# KiCad board dya-right.kicad_pcb
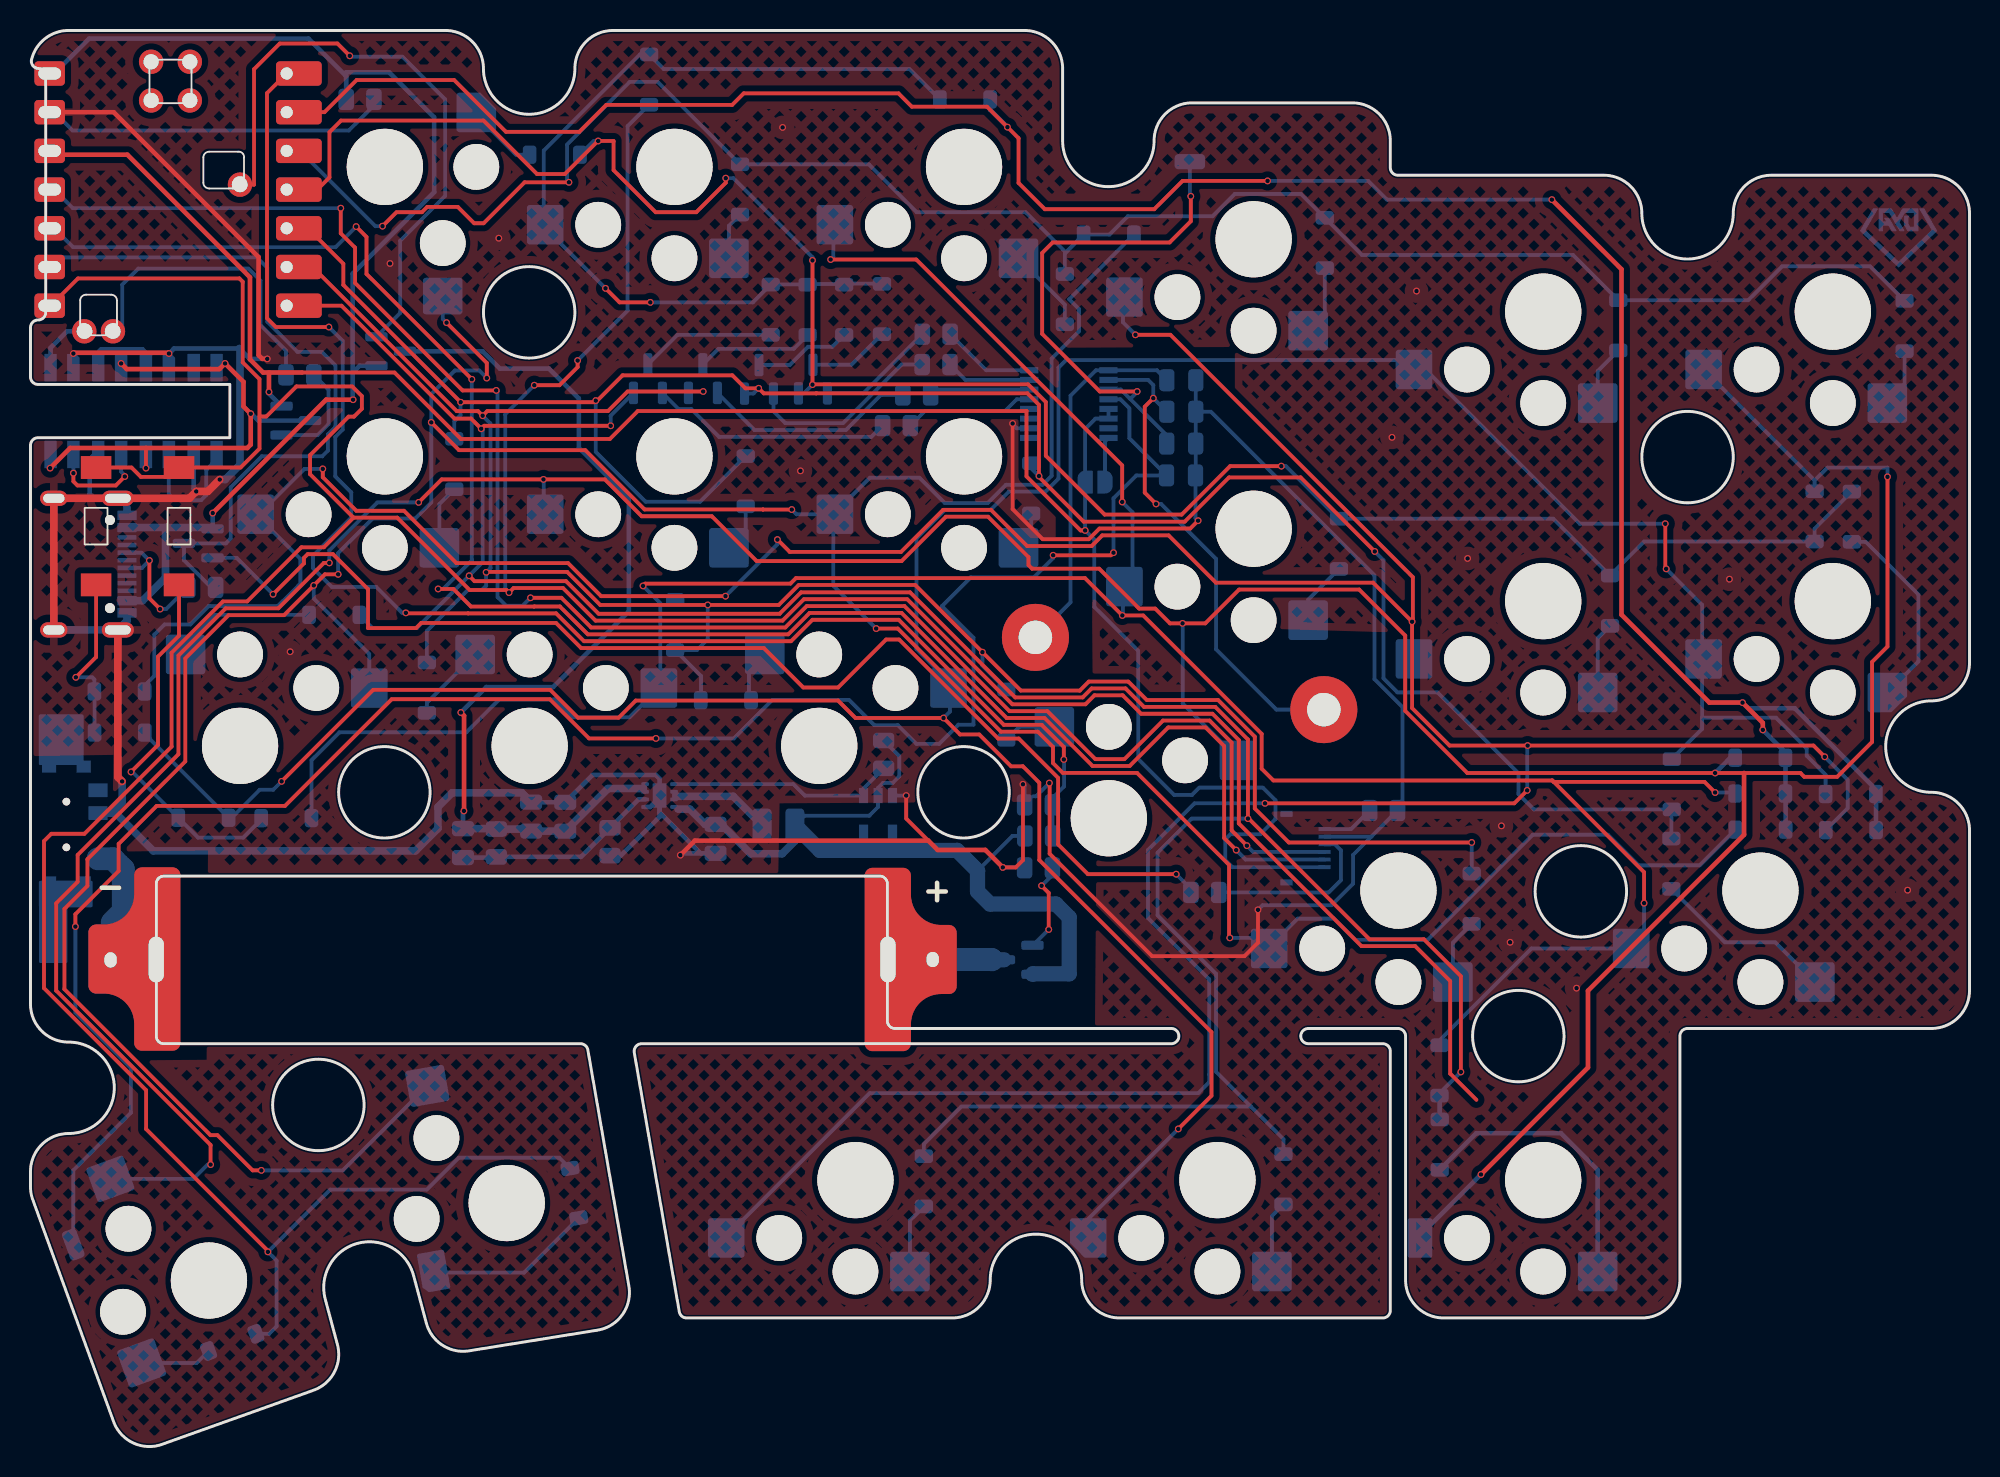
[diagram p0: board, top side]
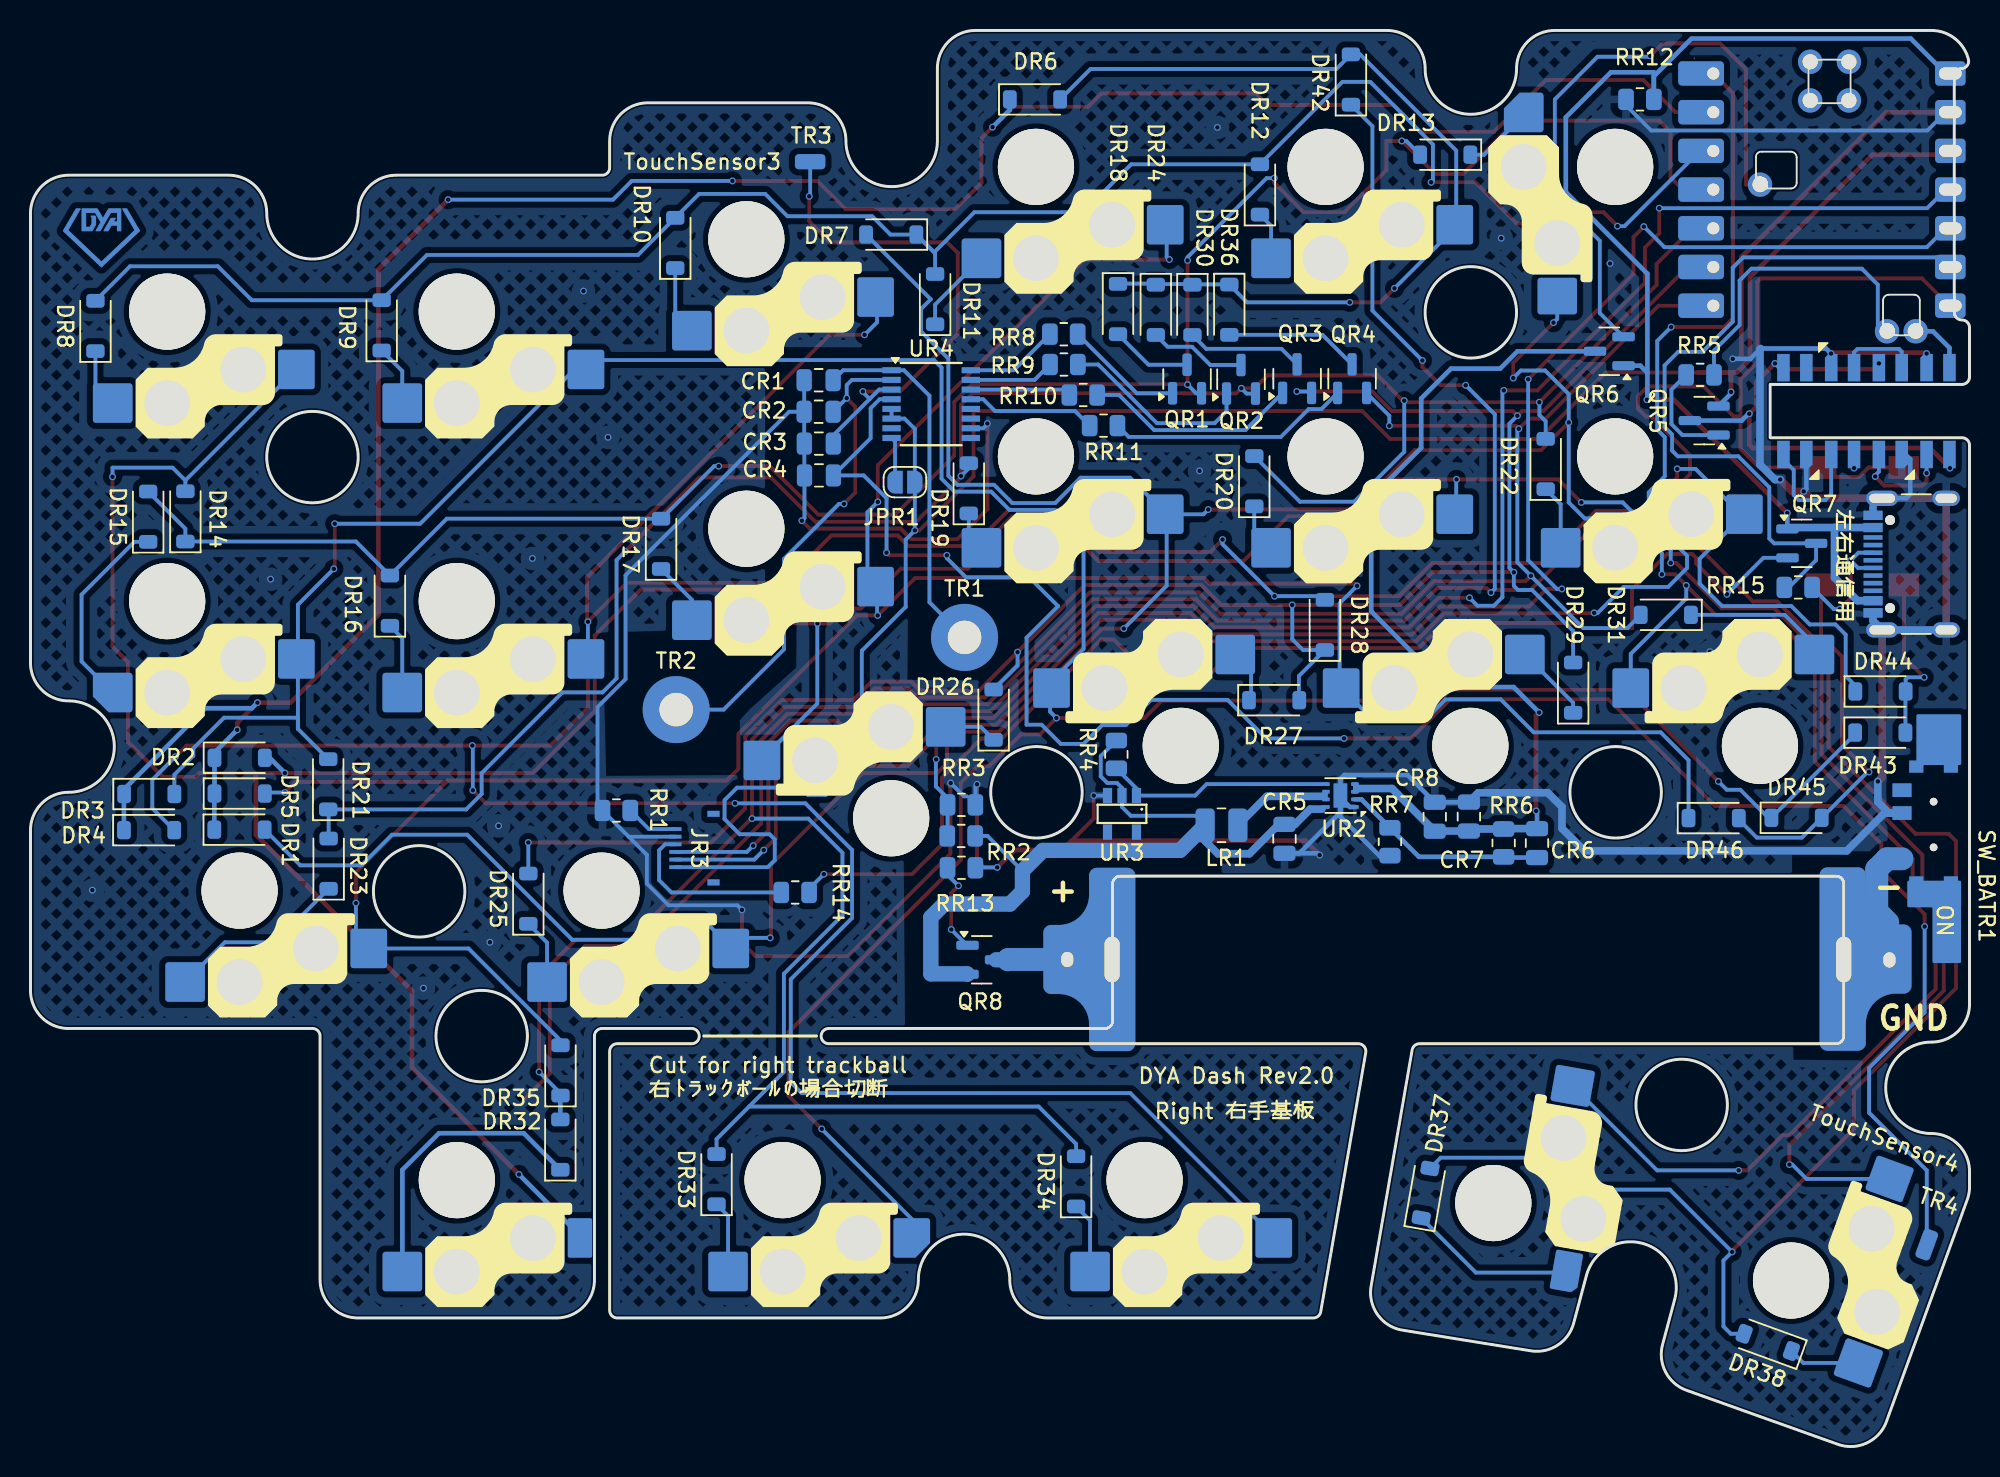
[diagram p1: board, bottom side, seen from below]

Outline 127.22 x 92.94 mm; copper layers: Top, Bottom. Coordinates in mm from the lower left corner of the outline.
Outline path: outline of 128 points within 15.89,19.42 21.89,25.42 closed ; outline of 128 points within 20.22,39.94 26.22,45.94 closed ; outline of 128 points within 29.72,71.44 35.72,77.44 closed ; outline of 128 points within 58.22,39.94 64.22,45.94 closed ; outline of 128 points within 94.62,23.94 100.62,29.94 closed ; outline of 128 points within 98.72,33.44 104.72,39.44 closed ; outline of 128 points within 105.72,61.94 111.72,67.94 closed ; outline of 1191 points within 0,0 127.22,92.94 closed
Stack: Top 0.035mm / dielectric 1.2mm FR4 er 4.5 / Bottom 0.035mm

## Placement (name value [footprint] x y rotation side)
CR1  ~  [C_0805_2012Metric]  75.51 69.98 0 bottom
CR2  ~  [C_0805_2012Metric]  75.51 67.91 0 bottom
CR3  ~  [C_0805_2012Metric]  75.5 65.82 0 bottom
CR4  ~  [C_0805_2012Metric]  75.49 63.73 0 bottom
CR5  10uF  [C_0805_2012Metric]  44.95 39.88 270 bottom
CR6  20pF  [C_0805_2012Metric]  28.38 39.6 270 bottom
CR7  10uF  [C_0805_2012Metric]  32.85 41.34 90 bottom
CR8  10uF  [C_0805_2012Metric]  35.09 41.33 90 bottom
DR1  D  [D_SOD-123]  113.51 40.48 180 bottom
DR2  D  [D_SOD-123]  113.49 45.2 180 bottom
DR3  D  [D_SOD-123]  119.43 42.82 180 bottom
DR4  D  [D_SOD-123]  119.44 40.45 180 bottom
DR5  D  [D_SOD-123]  113.49 42.85 180 bottom
DR6  D  [D_SOD-123]  61.31 88.41 180 bottom
DR7  D  [D_SOD-123]  70.75 79.54 0 bottom
DR8  D  [D_SOD-123]  122.96 73.54 90 bottom
DR9  D  [D_SOD-123]  104.18 73.58 90 bottom
DR10  D  [D_SOD-123]  84.92 78.99 90 bottom
DR11  D  [D_SOD-123]  67.87 75.3 90 bottom
DR12  D  [D_SOD-123]  46.56 82.5 90 bottom
DR13  D  [D_SOD-123]  34.4 84.78 0 bottom
DR14  D  [D_SOD-123]  117.06 61.05 90 bottom
DR15  D  [D_SOD-123]  119.5 61.03 90 bottom
DR16  D  [D_SOD-123]  103.64 55.51 90 bottom
DR17  D  [D_SOD-123]  85.85 59.24 90 bottom
DR18  D  [D_SOD-123]  55.87 74.65 270 bottom
DR19  D  [D_SOD-123]  65.66 62.89 90 bottom
DR20  D  [D_SOD-123]  46.93 63.35 90 bottom
DR21  D  [D_SOD-123]  107.68 43.46 90 bottom
DR22  D  [D_SOD-123]  27.81 64.48 90 bottom
DR23  D  [D_SOD-123]  107.66 38.25 90 bottom
DR24  D  [D_SOD-123]  53.39 74.6 270 bottom
DR25  D  [D_SOD-123]  94.56 35.95 90 bottom
DR26  D  [D_SOD-123]  64.03 48.03 90 bottom
DR27  D  [D_SOD-123]  45.62 48.98 180 bottom
DR28  D  [D_SOD-123]  42.29 53.92 90 bottom
DR29  D  [D_SOD-123]  26.01 49.81 90 bottom
DR30  D  [D_SOD-123]  50.99 74.6 270 bottom
DR31  D  [D_SOD-123]  19.93 54.58 0 bottom
DR32  D  [D_SOD-123]  92.46 19.81 90 bottom
DR33  D  [D_SOD-123]  82.21 17.54 90 bottom
DR34  D  [D_SOD-123]  58.62 17.4 90 bottom
DR35  D  [D_SOD-123]  92.45 24.68 90 bottom
DR36  D  [D_SOD-123]  48.57 74.61 270 bottom
DR37  D  [D_SOD-123]  35.69 16.62 100 bottom
DR38  D  [D_SOD-123]  13.24 6.83 20 bottom
DR42  D  [D_SOD-123]  40.59 89.72 90 bottom
DR43  D  [D_SOD-123]  5.85 46.85 180 bottom
DR44  D  [D_SOD-123]  5.84 49.55 180 bottom
DR45  D  [D_SOD-123]  11.35 41.26 180 bottom
DR46  D  [D_SOD-123]  16.79 41.24 180 bottom
JPR1  Jumper_2_Open  [SolderJumper-2_P1.3mm_Open_RoundedPad1.0x1.5mm]  69.85 63.29 180 bottom
JR1  USB_C_Receptacle_USB2.0_14P  [USB_C_Receptacle_G-Switch_GT-USB-7010ASV]  2.61 57.91 90 bottom
JR3  Conn_01x04  [JUSHUO-AFH34-S06FIA-1H]  84.91 39.27 90 bottom
JR4  Conn_01x02_Pin  [AAA-battery]  32.25 31.96 180 bottom
LED_R1  SK6812  [LED_SK6812MINI-E_BL]  2.07 67.96 90 bottom
LED_R2  SK6812  [LED_SK6812MINI-E_BL]  5.2 67.96 270 bottom
LED_R3  SK6812  [LED_SK6812MINI-E_BL]  8.33 67.96 90 bottom
LED_R4  SK6812  [LED_SK6812MINI-E_BL]  11.46 67.96 270 bottom
LR1  0.47uH  [L_1008_2520Metric]  49.08 40.77 180 bottom
QR1  Q_PMOS_GSD  [SOT-23]  51.34 70.06 90 bottom
QR2  Q_PMOS_GSD  [SOT-23]  47.8 70.04 90 bottom
QR3  Q_PMOS_GSD  [SOT-23]  44.12 70.09 90 bottom
QR4  Q_PMOS_GSD  [SOT-23]  40.51 70.08 90 bottom
QR5  Q_PMOS_GSD  [SOT-23]  17.41 67.33 0 bottom
QR6  Q_PMOS_GSD  [SOT-23]  23.64 71.88 0 bottom
QR7  Q_PMOS_GSD  [SOT-23]  11.01 59.28 180 bottom
QR8  Q_PMOS_GSD  [SOT-23]  64.8 31.94 180 bottom
RR1  100kΩ  [R_0805_2012Metric]  88.78 41.74 180 bottom
RR2  1MΩ  [R_0805_2012Metric]  66.16 40.07 0 bottom
RR3  470kΩ  [R_0805_2012Metric]  66.14 42.11 180 bottom
RR4  100kΩ  [R_0805_2012Metric]  55.98 45.42 90 bottom
RR5  100Ω  [R_0805_2012Metric]  17.68 70.33 0 bottom
RR6  470kΩ  [R_0805_2012Metric]  30.57 39.61 270 bottom
RR7  150kΩ  [R_0805_2012Metric]  38.03 39.69 270 bottom
RR8  100Ω  [R_0805_2012Metric]  59.43 73 0 bottom
RR9  100Ω  [R_0805_2012Metric]  59.42 71.01 0 bottom
RR10  100Ω  [R_0805_2012Metric]  58.15 69.01 0 bottom
RR11  100Ω  [R_0805_2012Metric]  56.82 67 0 bottom
RR12  100kΩ  [R_0805_2012Metric]  21.62 88.41 0 bottom
RR13  100kΩ  [R_0805_2012Metric]  66.14 37.98 180 bottom
RR14  1kΩ  [R_0805_2012Metric]  77.05 36.36 0 bottom
RR15  100Ω  [R_0805_2012Metric]  11.24 56.38 0 bottom
SW_BATR1  SW_SPDT  [MK-12C02-G015]  2.36 40.82 270 bottom
SWR1  SW_Push_45deg  [Kailh-PG1353-Hotswap-1U]  118.25 74.48 0 bottom
SWR2  SW_Push_45deg  [Kailh-PG1353-Hotswap-1U]  99.25 74.48 0 bottom
SWR3  SW_Push_45deg  [Kailh-PG1353-Hotswap-1U]  80.25 79.23 0 bottom
SWR4  SW_Push_45deg  [Kailh-PG1353-Hotswap-1U]  61.25 83.98 0 bottom
SWR5  SW_Push_45deg  [Kailh-PG1353-Hotswap-1U]  42.25 83.98 0 bottom
SWR6  SW_Push_45deg  [Kailh-PG1353-Hotswap-1U]  23.25 83.98 90 bottom
SWR7  SW_Push_45deg  [Kailh-PG1353-Hotswap-1U]  118.25 55.48 0 bottom
SWR8  SW_Push_45deg  [Kailh-PG1353-Hotswap-1U]  99.25 55.48 0 bottom
SWR9  SW_Push_45deg  [Kailh-PG1353-Hotswap-1U]  80.25 60.23 0 bottom
SWR10  SW_Push_45deg  [Kailh-PG1353-Hotswap-1U]  61.25 64.98 0 bottom
SWR11  SW_Push_45deg  [Kailh-PG1353-Hotswap-1U]  42.25 64.98 0 bottom
SWR12  SW_Push_45deg  [Kailh-PG1353-Hotswap-1U]  23.25 64.98 0 bottom
SWR13  SW_Push_45deg  [Kailh-PG1353-Hotswap-1U]  113.5 36.48 0 bottom
SWR14  SW_Push_45deg  [Kailh-PG1353-Hotswap-1U]  89.75 36.48 0 bottom
SWR15  SW_Push_45deg  [Kailh-PG1353-Hotswap-1U]  70.75 41.23 180 bottom
SWR16  SW_Push_45deg  [Kailh-PG1353-Hotswap-1U]  51.75 45.98 180 bottom
SWR17  SW_Push_45deg  [Kailh-PG1353-Hotswap-1U]  32.75 45.98 180 bottom
SWR18  SW_Push_45deg  [Kailh-PG1353-Hotswap-1U]  13.75 45.98 180 bottom
SWR19  SW_Push_45deg  [Kailh-PG1353-Hotswap-1U#2]  99.25 17.48 0 bottom
SWR20  SW_Push_45deg  [Kailh-PG1353-Hotswap-1U]  77.88 17.48 0 bottom
SWR21  SW_Push_45deg  [Kailh-PG1353-Hotswap-1U]  54.12 17.48 0 bottom
SWR22  SW_Push_45deg  [Kailh-PG1353-Hotswap-1U#3]  31.24 15.98 280 bottom
SWR23  SW_Push_45deg  [Kailh-PG1353-Hotswap-1U]  11.71 10.9 290 bottom
SWR27  SW_Push_45deg  [Push_PTS636SM43SMTR]  4.3 60.4 90 top
SWR28  SW_Push_45deg  [Push_PTS636SM43SMTR]  9.74 60.4 90 top
TR1  Conn_01x01_Pin  [MountingHole_2.2mm_M2_Pad]  65.93 53.1 0 top
TR2  Conn_01x01_Pin  [MountingHole_2.2mm_M2_Pad]  84.85 48.36 0 top
TR3  Conn_01x01_Pin  [SolderWirePad_1x01_SMD_1x2mm]  76.06 84.32 270 bottom
TR4  Conn_01x01_Pin  [SolderWirePad_1x01_SMD_1x2mm]  2.81 13.25 20 bottom
UR1  -  [XIAO-nRF52840-SMD]  9.18 82.49 180 bottom
UR2  TPS61021A  [WSON-8-1EP_2x2mm_P0.5mm_EP0.9x1.6mm]  41.27 42.72 0 bottom
UR3  BU42  [BU42XX]  55.61 41.52 0 bottom
UR4  TTP224  [SSOP-16_3.9x4.9mm_P0.635mm]  68.12 68.42 180 bottom

## Library data of the parts
CR1-CR4 = -: Description: Unpolarized capacitor; ki_fp_filters: C_*
CR5 CR7 CR8 = -: Description: Unpolarized capacitor; LCSC: C15850; ki_fp_filters: C_*
CR6 = -: Description: Unpolarized capacitor; LCSC: C1798; ki_fp_filters: C_*
DR1-DR38 DR42-DR46 = -: Description: Diode; Sim.Pins: 1=K 2=A; LCSC: C81598; ki_fp_filters: TO-???* *_Diode_* *SingleDiode* D_*
JPR1 = -: Description: Jumper, 2-pole, open; ki_fp_filters: Jumper* TestPoint*2Pads* TestPoint*Bridge*
JR1 = -: Datasheet: https://www.usb.org/sites/default/files/documents/usb_type-c.zip; Description: USB 2.0-only 14P Type-C Receptacle connector; LCSC: C2927038; ki_fp_filters: USB*C*Receptacle*
JR3 = -: Description: Generic connector, single row, 01x06, script generated (kicad-library-utils/schlib/autogen/connector/); LCSC: C5139821; ki_fp_filters: Connector*:*_1x??_*
JR4 = -: Description: Generic connector, single row, 01x02, script generated; ki_fp_filters: Connector*:*_1x??_*
LED_R1-LED_R4 = -: Datasheet: https://cdn-shop.adafruit.com/product-files/2686/SK6812MINI_REV.01-1-2.pdf; Description: RGB LED with integrated controller; LCSC: C5149201; ki_fp_filters: LED*SK6812MINI*PLCC*3.5x3.5mm*P1.75mm*
LR1 = -: Datasheet: MEKK2520TR47M; Description: Inductor; LCSC: C519277; ki_fp_filters: Choke_* *Coil* Inductor_* L_*
QR1-QR7 = -: Description: P-MOSFET transistor, gate/source/drain; LCSC: C15127
QR8 = -: Description: P-MOSFET transistor, gate/source/drain; LCSC: C144153
RR1 RR4 RR12 RR13 = -: Description: Resistor; LCSC: C149504; ki_fp_filters: R_*
RR2 = -: Description: Resistor; LCSC: C17514; ki_fp_filters: R_*
RR3 RR6 = -: Description: Resistor; LCSC: C17709; ki_fp_filters: R_*
RR5 RR8-RR11 RR15 = -: Description: Resistor; LCSC: C17408; ki_fp_filters: R_*
RR7 = -: Description: Resistor; LCSC: C17470; ki_fp_filters: R_*
RR14 = -: Description: Resistor; LCSC: C17513; ki_fp_filters: R_*
SW_BATR1 = -: Description: Switch, single pole double throw; LCSC: C2890358
SWR1-SWR23 = -: Description: Push button switch, normally open, two pins, 45° tilted; LCSC: C5333465
SWR27 SWR28 = -: Description: Push button switch, normally open, two pins, 45° tilted
TR1-TR4 = -: Description: Generic connector, single row, 01x01, script generated; ki_fp_filters: Connector*:*_1x??_*
UR1 = -: Field4: XIAO; Field5: Seeed Studio
UR2 = -: Datasheet: https://www.ti.com/cn/lit/gpn/tps61021a; LCSC: C193037
UR3 = -: Datasheet: https://jlcpcb.com/parts/componentSearch?searchTxt=BU4210G-TR; LCSC: C2066584
UR4 = -: Datasheet: https://jlcpcb.com/api/file/downloadByFileSystemAccessId/8588945609671774208; LCSC: C2890350

## Footprints (pads in the part's own frame, mm; a bottom-side part is the same pattern mirrored in y, then rotated)
AAA-battery
  round 1 hole 0.8x3.5: 1(-26.94,0) 2(27,-0.03)
  custom 6.033x12.034 hole 1x10: 1(-24,0) 2(24,0)
BU42XX
  rect 0.6x1 smd: 1(-0.95,-1.2) 2(0,-1.2) 3(0.95,-1.2) 4(0.95,1.2) 5(-0.95,1.2)
C_0805_2012Metric
  rrect 1x1.45 smd: 1(-0.95,0) 2(0.95,0)
D_SOD-123
  rrect 0.9x1.2 smd: 1(-1.65,0) 2(1.65,0)
JUSHUO-AFH34-S06FIA-1H
  rect 0.4x0.8 smd: 0(-2.25,-2.5) 0(2.25,-2.5)
  rect 0.25x0.8 smd: 1(-1.25,0) 2(-0.75,0) 3(-0.25,0) 4(0.25,0) 5(0.75,0) 6(1.25,0)
Kailh-PG1353-Hotswap-1U
  round 3 hole 3 unplated: (-5,3.8) (0,6)
  round 5 hole 5.1 unplated: (0,0)
  rrect 2.405x2.59 smd: 1(-8.477,3.795)
  rrect 2.6x2.6 smd: 2(3.575,6)
Kailh-PG1353-Hotswap-1U#2
  round 3 hole 3 unplated: (-5,3.8) (0,6)
  round 5 hole 5.1 unplated: (0,0)
  rrect 1.6x2.59 smd: 1(-8.477,3.795)
  rrect 2.6x2.6 smd: 2(3.575,6)
Kailh-PG1353-Hotswap-1U#3
  round 3 hole 3 unplated: (-5,3.8) (0,6)
  round 5 hole 5.1 unplated: (0,0)
  rrect 2.405x2.59 smd: 1(-8.477,3.795)
  rrect 2.6x1.8 smd: 2(3.575,6)
L_1008_2520Metric
  rrect 1.25x2.2 smd: 1(-1.075,0) 2(1.075,0)
LED_SK6812MINI-E_BL
  rect 1.8x0.82 smd: 1(-2.6,0.75) 3(2.6,-0.75) 4(-2.6,-0.75)
  rrect 1.8x0.82 smd: 2(2.6,0.75)
MK-12C02-G015
  round 0.5 hole 0.85 unplated: (-1.5,0) (1.5,0)
  rect 0.9x1.25 smd: 1(-2.25,-2.075) 2(-0.75,-2.075) 3(2.25,-2.075)
  rect 0.8x0.93 smd: 4(-3.8,-1.135) 4(-3.8,1.135) 4(3.8,-1.135) 4(3.8,1.135)
MountingHole_2.2mm_M2_Pad
  round 4.4 hole 2.2: 1(0,0)
Push_PTS636SM43SMTR
  rect 1.5x2 smd: 1(-3.85,0) 2(3.85,0)
R_0805_2012Metric
  rrect 1.025x1.4 smd: 1(-0.912,0) 2(0.912,0)
SolderJumper-2_P1.3mm_Open_RoundedPad1.0x1.5mm
  custom 1x1.5 smd: 1(-0.65,0) 2(0.65,0)
SolderWirePad_1x01_SMD_1x2mm
  rrect 1x2 smd: 1(0,0)
SOT-23
  rrect 1.475x0.6 smd: 1(-0.938,0.95) 2(-0.938,-0.95) 3(0.938,0)
SSOP-16_3.9x4.9mm_P0.635mm
  rect 1.2x0.4 smd: 1(-2.6,2.223) 2(-2.6,1.587) 3(-2.6,0.953) 4(-2.6,0.318) 5(-2.6,-0.318) 6(-2.6,-0.953) 7(-2.6,-1.587) 8(-2.6,-2.223) 9(2.6,-2.223) 10(2.6,-1.587) 11(2.6,-0.953) 12(2.6,-0.318) 13(2.6,0.318) 14(2.6,0.953) 15(2.6,1.587) 16(2.6,2.223)
USB_C_Receptacle_G-Switch_GT-USB-7010ASV
  round 0.65 hole 0.65 unplated: (-2.89,2.605) (2.89,2.605)
  rect 0.6x1.24 smd: A1(-3.2,3.725) A4(-2.4,3.725) A9(2.4,3.725) A12(3.2,3.725) B1(3.2,3.725) B4(2.4,3.725) B9(-2.4,3.725) B12(-3.2,3.725)
  rect 0.3x1.24 smd: A5(-1.25,3.725) A6(-0.25,3.725) A7(0.25,3.725) A8(1.25,3.725) B5(1.75,3.725) B6(0.75,3.725) B7(-0.75,3.725) B8(-1.75,3.725)
  oval 1x1.8 hole 0.6x1.4: S1(-4.32,-1.075) S1(4.32,-1.075)
  oval 1x2.1 hole 0.6x1.7: S1(-4.32,3.125) S1(4.32,3.125)
WSON-8-1EP_2x2mm_P0.5mm_EP0.9x1.6mm
  rect 0.75x0.65 smd: (0,-0.4) (0,0.4)
  rrect 0.5x0.25 smd: 1(-0.95,0.75) 2(-0.95,0.25) 3(-0.95,-0.25) 4(-0.95,-0.75) 5(0.95,-0.75) 6(0.95,-0.25) 7(0.95,0.25) 8(0.95,0.75)
  rect 0.9x1.6 smd: 9(0,0)
XIAO-nRF52840-SMD
  rrect 3x1.6 hole 0.8: 1(-7.625,7.62) 2(-7.625,5.08) 3(-7.625,2.54) 4(-7.625,0) 5(-7.625,-2.54) 6(-7.625,-5.08) 7(-7.625,-7.62)
  rrect 2x1.6 hole 1.5x0.8: 8(7.925,-7.62) 9(7.925,-5.08) 10(7.925,-2.54) 11(7.925,0) 12(7.925,2.54) 13(7.925,5.08) 14(7.925,7.62)
  round 1.6 hole 1: 15(-4.561,0.326) 17(3.773,-9.3) 18(5.653,-9.3) 19(-1.27,8.39) 20(1.27,8.39) 21(-1.27,5.85) 22(1.27,5.85)
